# Altium PCB PCB2.PcbDoc (part 1 of 2)
Units mm, origin at the board's own origin, x right, y up, seen from the top; angles counter-clockwise.
Board outline 66 x 45 mm, 4 copper layers (Top Layer, GND1, GND2, Bottom Layer), stack 1.389 mm thick; 112 components, 123 nets, 503 pads, 259 vias.
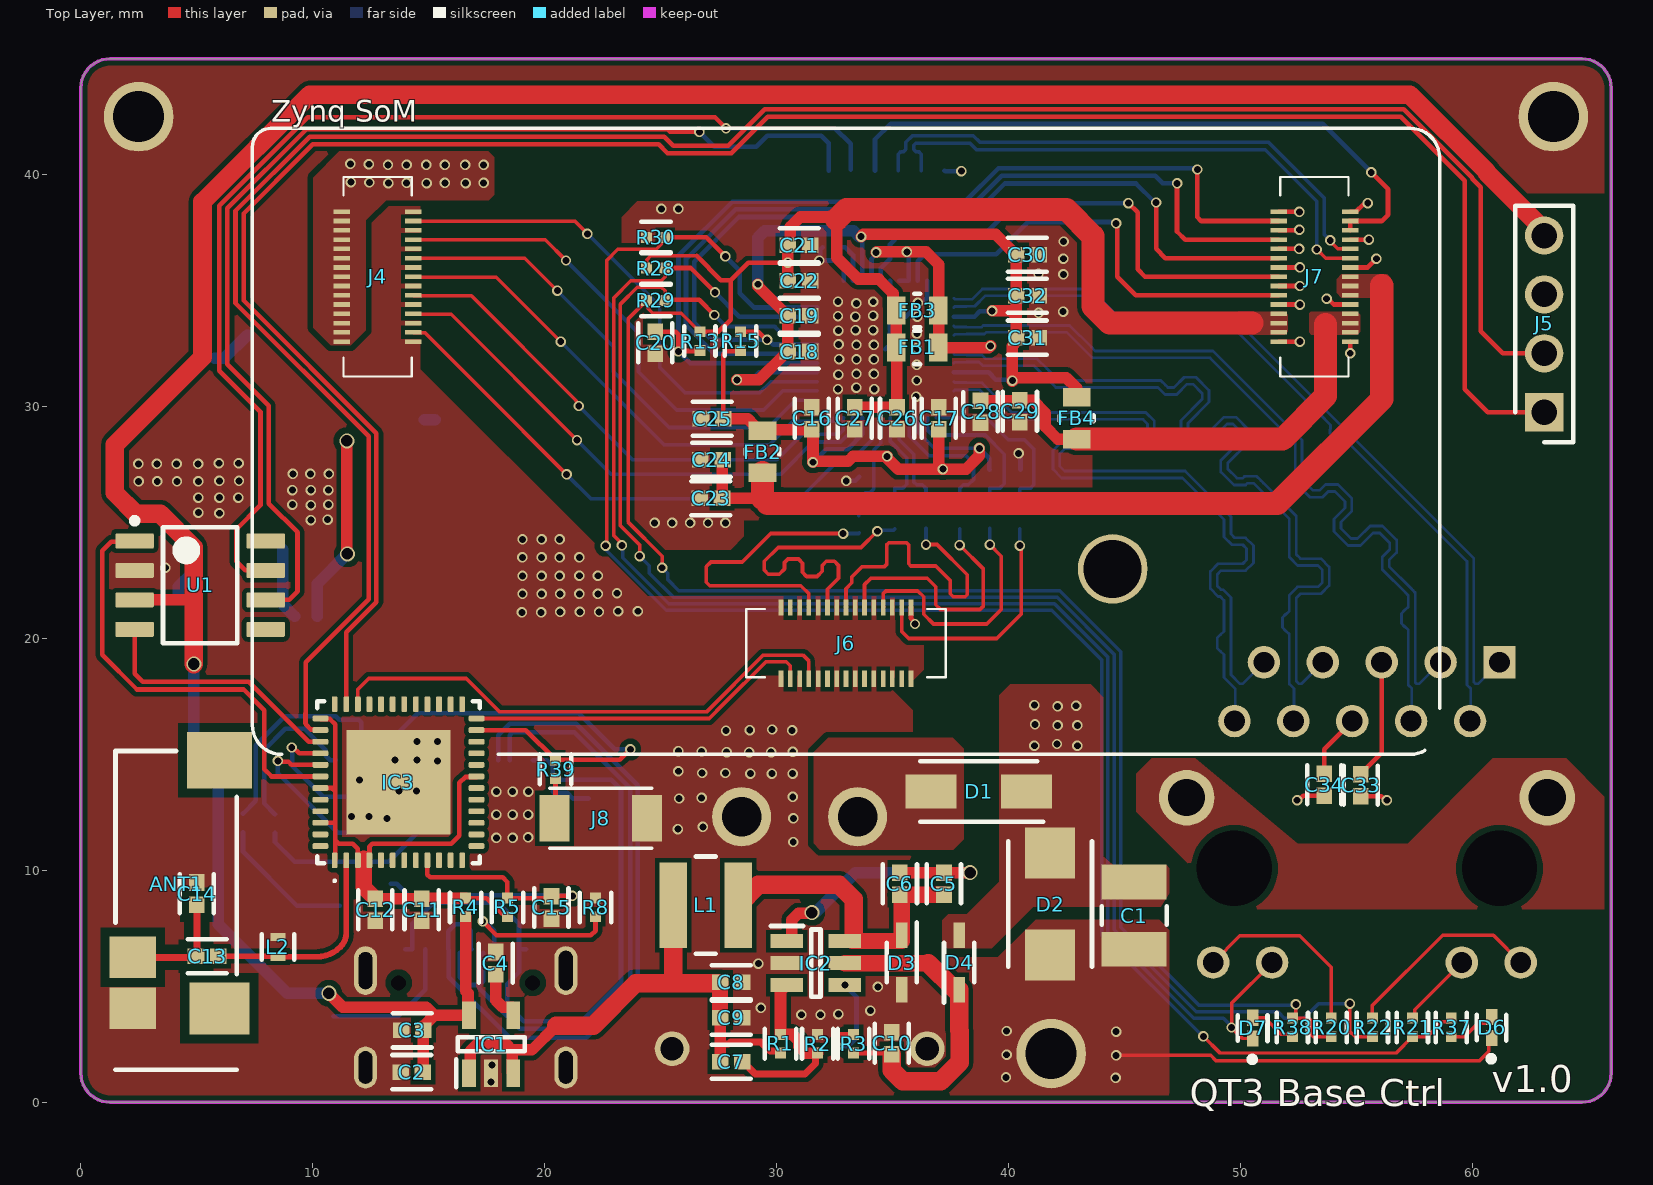
[diagram p0: Top Layer view]
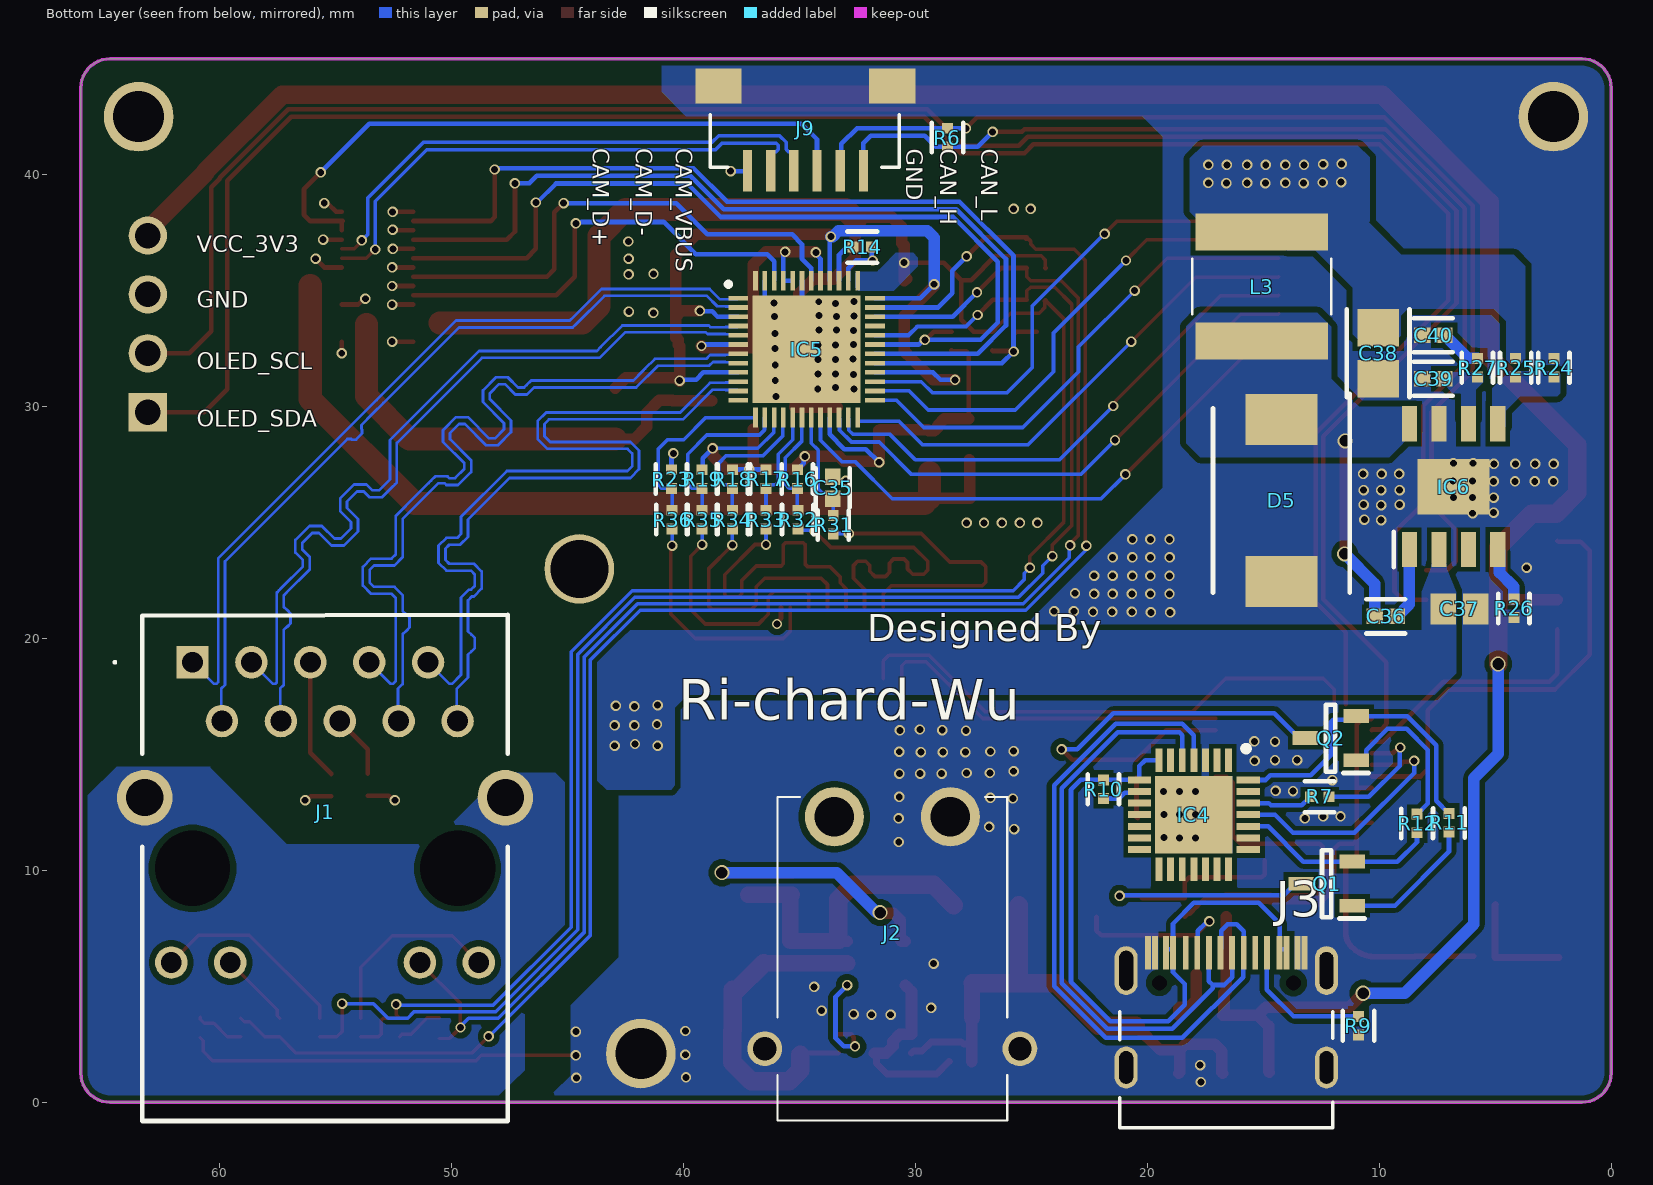
[diagram p1: Bottom Layer view, seen from below]
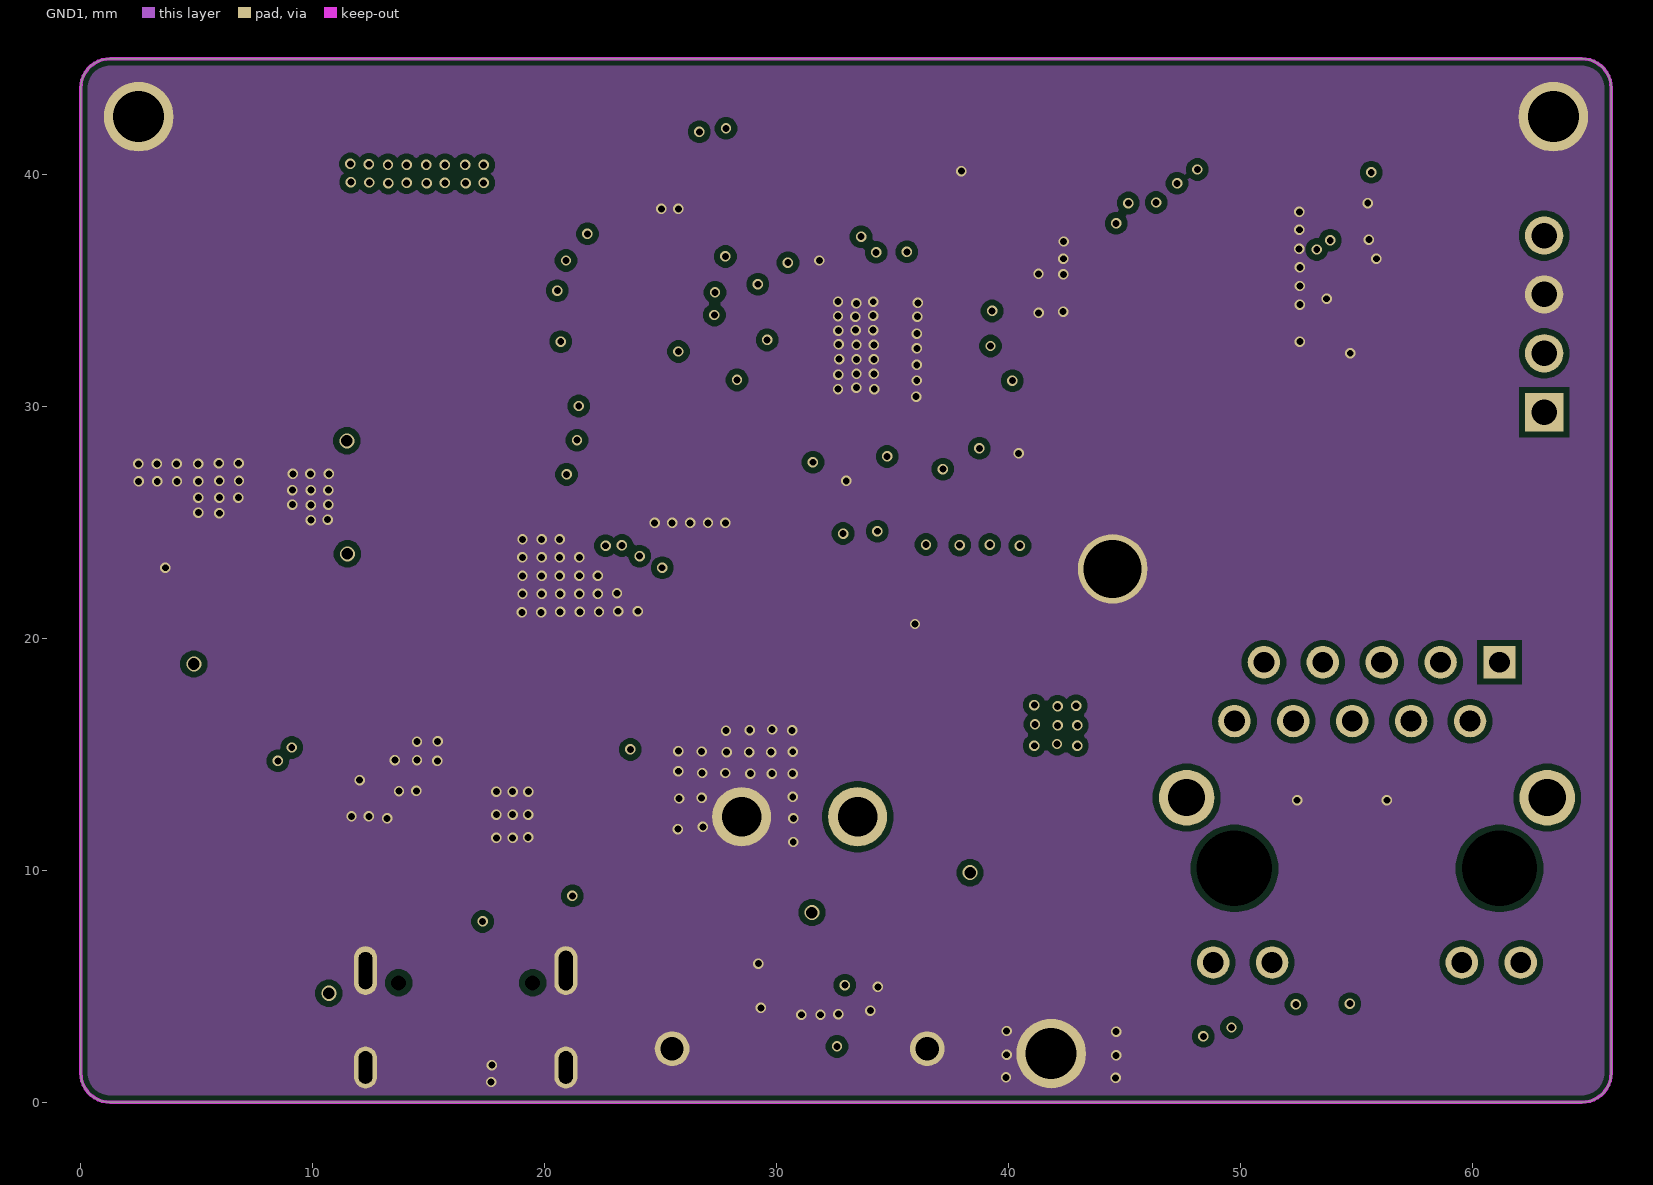
[diagram p2: GND1]
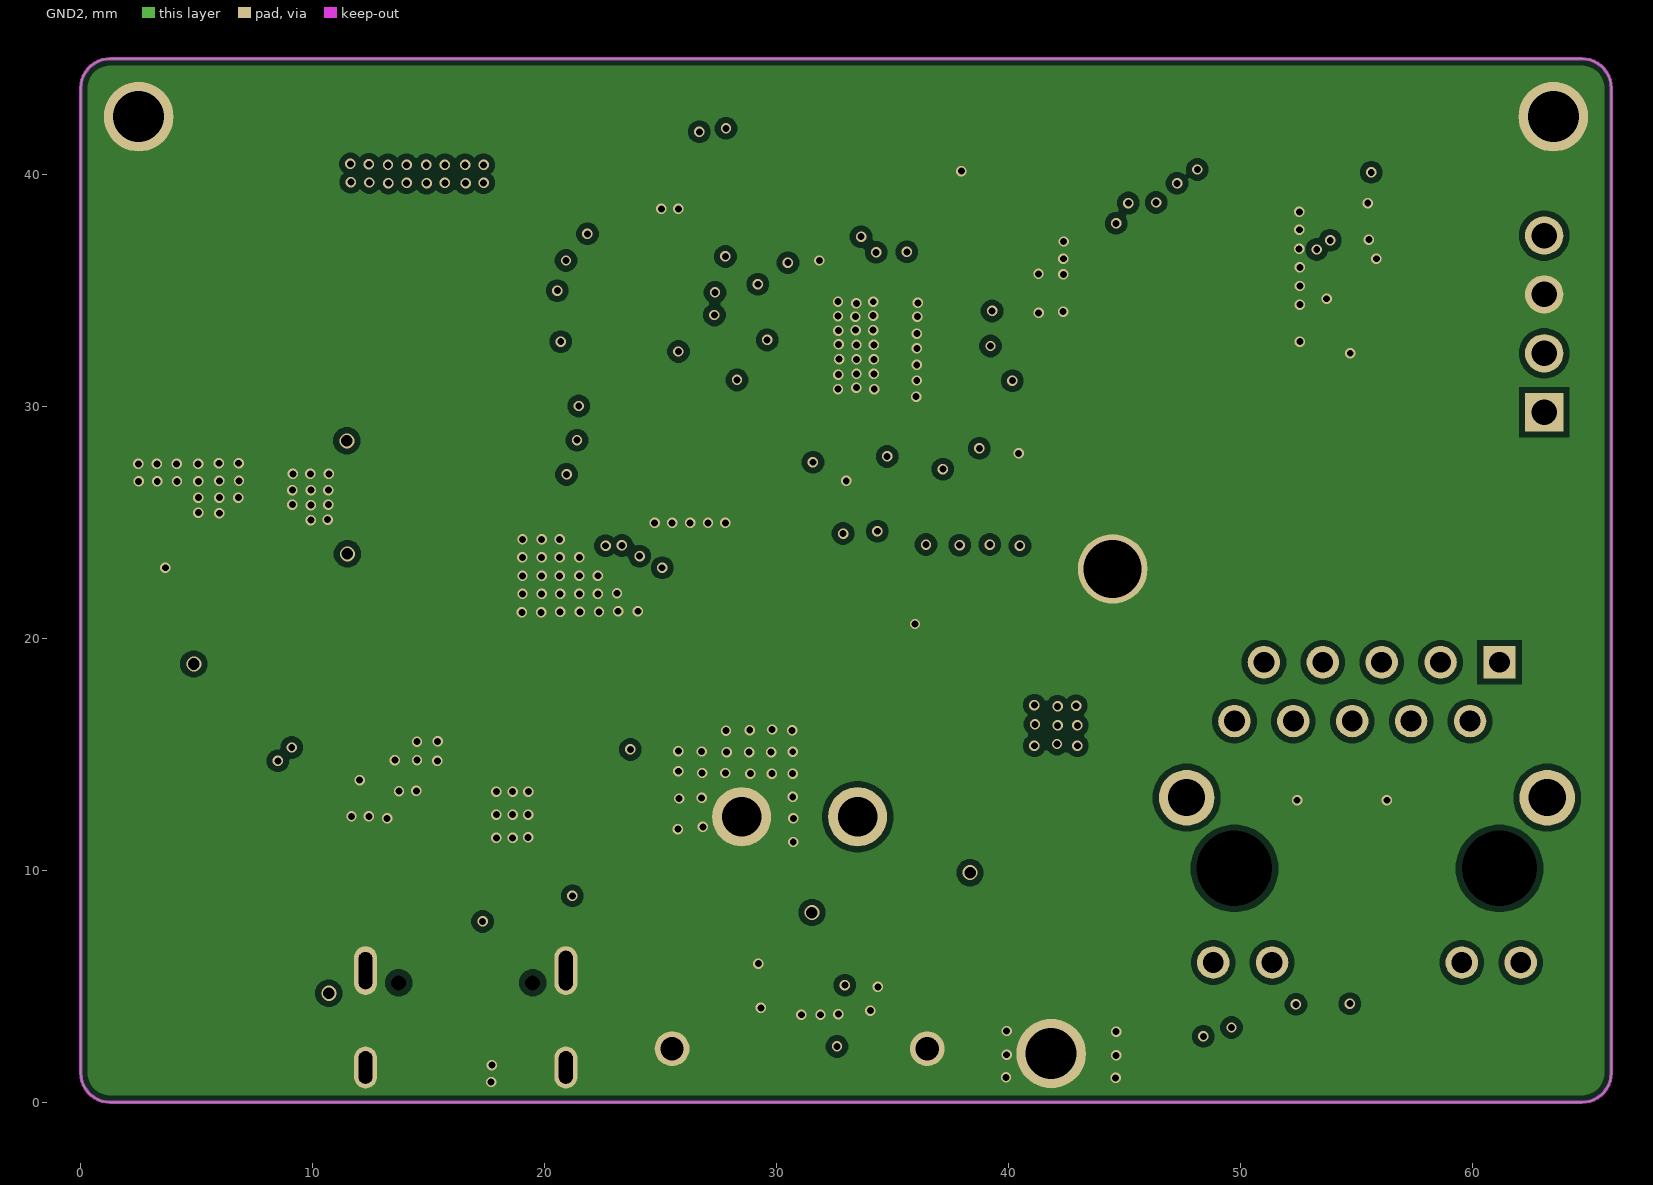
[diagram p3: GND2]
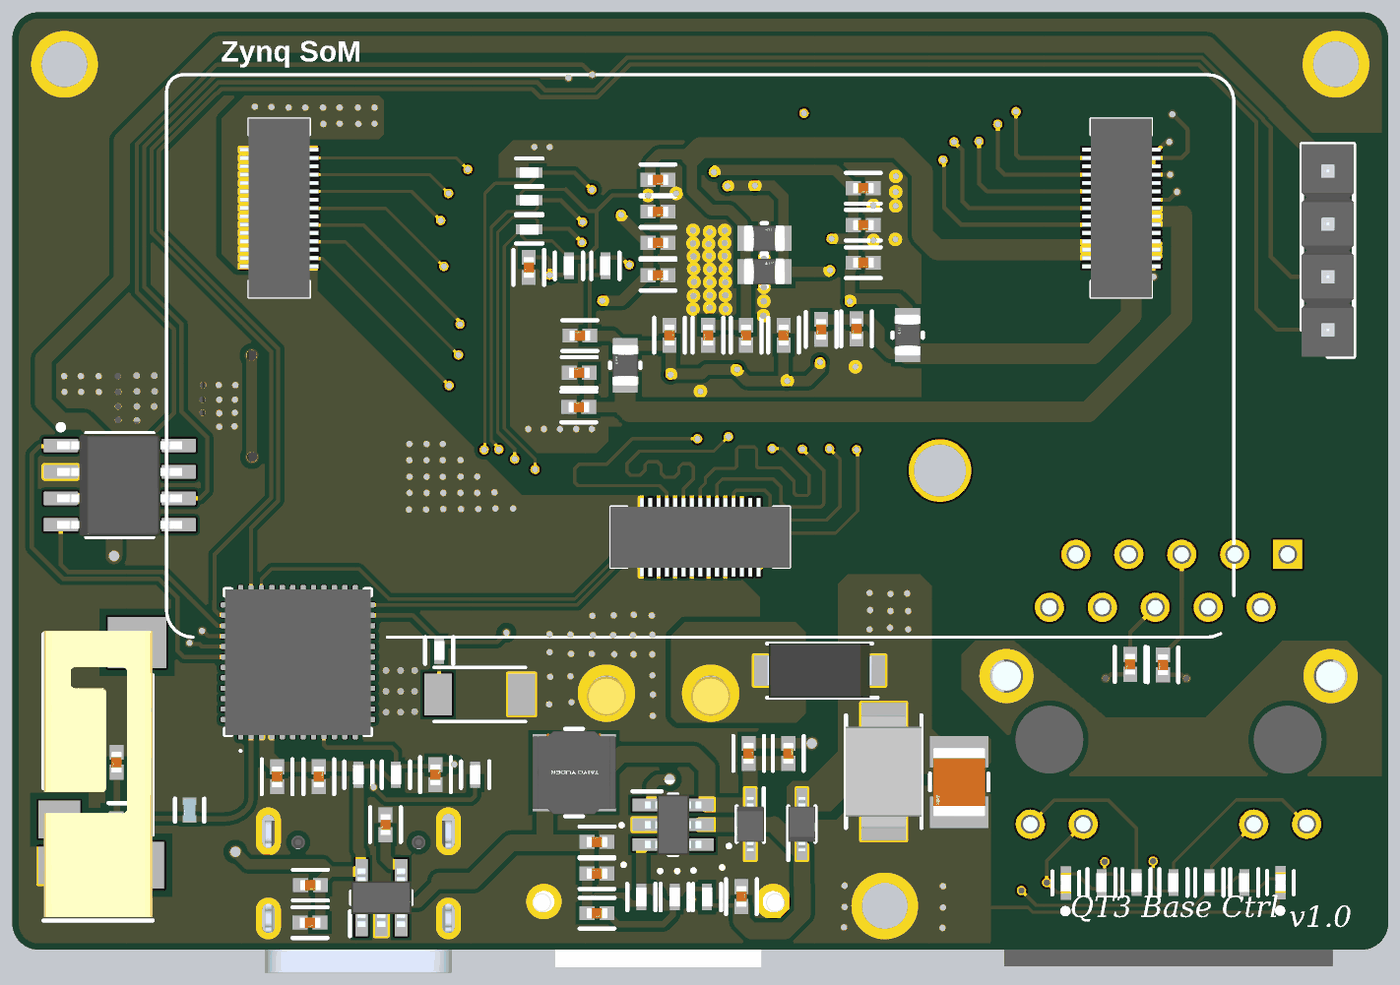
[diagram p5: 3D render of the assembled board from above, using the file's embedded part models]
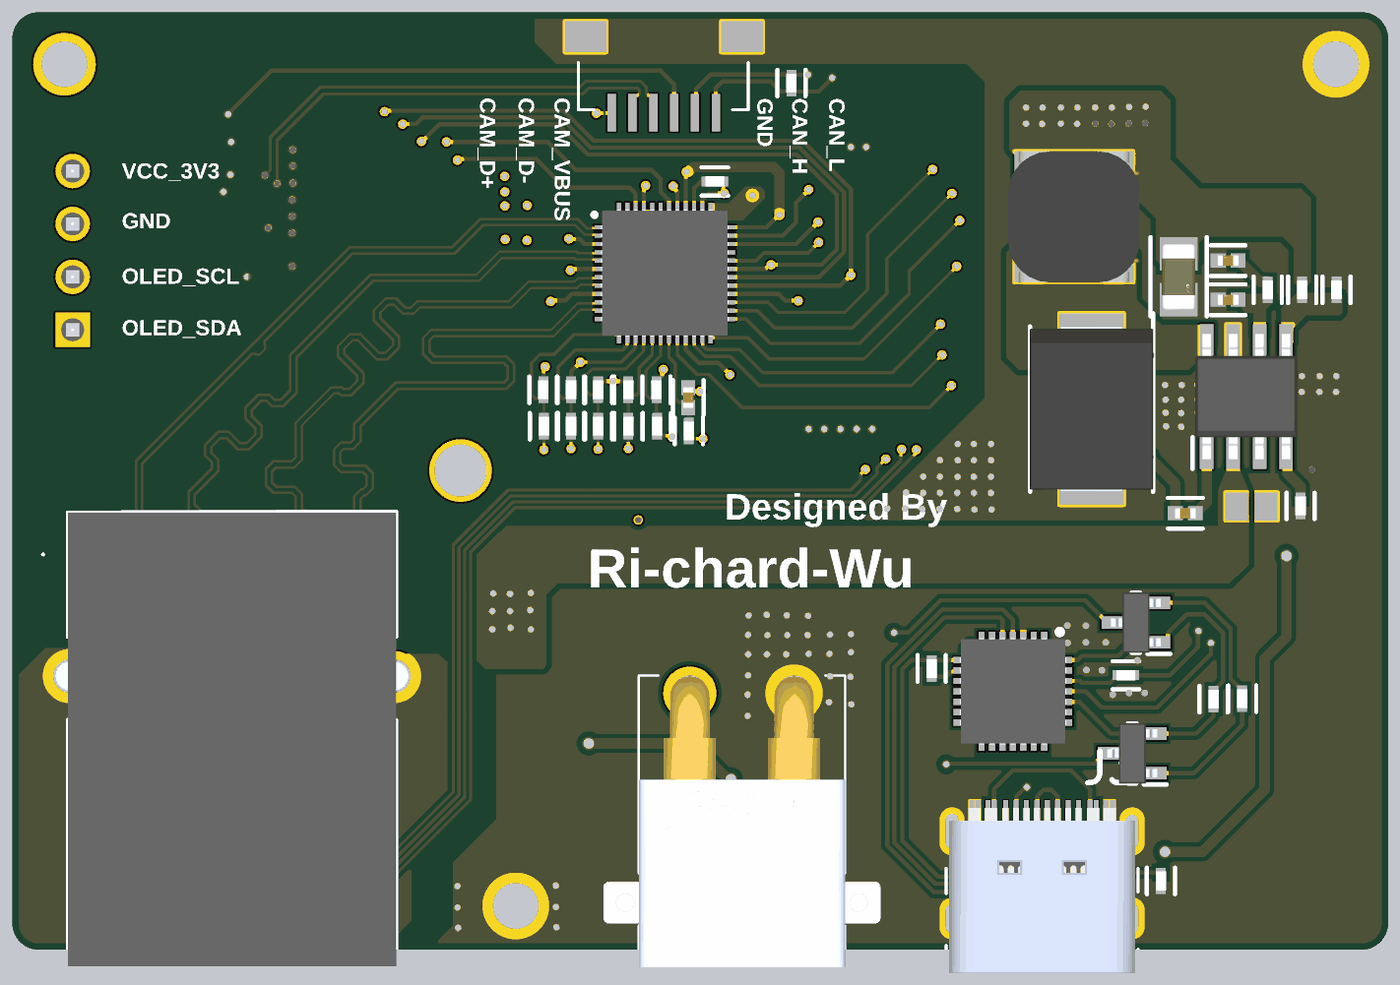
[diagram p6: 3D render of the assembled board from below, using the file's embedded part models]

## Layer stack, top to bottom
Top Solder: solder mask 0.0102, Solder Resist, Dk 3.5
Top Layer: signal copper 0.035
Dielectric 2: prepreg 0.1118, PP-015, Dk 4.05
GND1: signal copper 0.0152
Dielectric 1: dielectric 1.065, FR-4, Dk 4.8
GND2: signal copper 0.0152
Dielectric 3: prepreg 0.1118, PP-015, Dk 4.05
Bottom Layer: signal copper 0.035
Bottom Solder: solder mask 0.0102, Solder Resist, Dk 3.5

## Board outline
1.27,0 cw(c1.27,1.27) 0,1.27 0,43.73 cw(c1.27,43.73) 1.27,45 64.73,45 cw(c64.73,43.73) 66,43.73 66,1.27 cw(c64.73,1.27) 64.73,0

## Design rules (kind name [scope] priority, off if disabled: settings)
BoardOutlineClearance [All] p1: gap=0.3 ignorepadtopadclearanceinfootprint=FALSE
Clearance Clearance_2 [InNetClass('CLR-0_4')] p1: gap=0.254 ignorepadtopadclearanceinfootprint=FALSE except(0.127: SMDPad-SMDPad; 0.4: Arc-Fill Arc-Poly Arc-Region Track-Fill Track-Poly Track-Region SMDPad-Fill SMDPad-Poly SMDPad-Region)
Clearance Clearance_1 [InPadClass('CLR-0_4')] p2: gap=0.254 ignorepadtopadclearanceinfootprint=FALSE except(0.127: SMDPad-SMDPad; 0.4: SMDPad-Fill SMDPad-Poly SMDPad-Region)
Clearance [All] p3: gap=0.254 ignorepadtopadclearanceinfootprint=FALSE except(0.127: Arc-Arc Arc-Track Track-Track SMDPad-SMDPad; 0.15: SMDPad-Text; 0.2: Arc-SMDPad Arc-Fill Arc-Poly Arc-Region Track-SMDPad Track-Fill Track-Poly Track-Region SMDPad-Fill SMDPad-Poly SMDPad-Region)
DiffPairsRouting [All] p1: maxlimit=0.19 minlimit=0.17 mostfreqgap=0.18 toplayer_minwidth=0.1 toplayer_maxwidth=0.2 toplayer_prefwidth=0.118 midlayer1_minwidth=0.1 midlayer1_maxwidth=0.2 midlayer1_prefwidth=0.118 midlayer2_minwidth=0.1 midlayer2_maxwidth=0.2 midlayer2_prefwidth=0.118 bottomlayer_minwidth=0.1 bottomlayer_maxwidth=0.2 bottomlayer_prefwidth=0.118 maxuncoupledlength=12.7
HoleSize [All] p1: absolutevalues=TRUE maxlimit=6.3 minlimit=0.2 maxpercent=80.000 minpercent=20.000
MinimumSolderMaskSliver [All] p1: minsoldermaskwidth=0.1
PolygonConnect [All] p1: connectstyle=Direct reliefconductorwidth=0.254 reliefentries=4 polygonreliefangle="90 Angle" airgapwidth=0.254
RoutingVias [All] p1: holewidth=0.2 width=0.3 viastyle="Through Hole" minholewidth=0.15 minwidth=0.25 maxholewidth=0.711 maxwidth=1.27
SolderMaskExpansion [All] p1: expansion=0.102 istentingtop=FALSE
Width [All] p1: maxlimit=2 minlimit=0.127 preferedwidth=0.254 toplayer_prefwidth=0.2 midlayer1_minwidth=0.254 midlayer1_maxwidth=0.254 midlayer2_minwidth=0.254 midlayer2_maxwidth=0.254 bottomlayer_prefwidth=0.2 minimp=50.000000 maximp=50.000000 favimp=50.000000
27 further rules are at their usual default settings.

## Classes and differential pairs
net class CAM_USB: CAM_D_N CAM_D_P
net class RGMII-RX: ETH_RXCK ETH_RXCTL ETH_RXD0 ETH_RXD1 ETH_RXD2 ETH_RXD3
net class RGMII-TX: ETH_TXCK ETH_TXCTL ETH_TXD0 ETH_TXD1 ETH_TXD2 ETH_TXD3
net class MDI: MDI_A_N MDI_A_P MDI_B_N MDI_B_P MDI_C_N MDI_C_P MDI_D_N MDI_D_P
component class Ethernet-PHY: C16 C17 C18 C19 C20 C21 C22 C23 C24 C25 C26 C27 C28 C29 C30 C31 C32 C33 C34 C35 D6 D7 FB1 FB2 FB3 FB4 IC5 J1 R13 R14 R15 R16 R17 R18 R19 R20 R21 R22 R23 R28 R29 R30 R31 R32 R33 R34 R35 R36 R37 R38
pad class CLR-0_4: ANT1-3 ANT1-4
net class CLR-0_4: NetANT1_2 NetANT1_3 NetANT1_4
component class USB-PROG-UART: IC4 J3 Q1 Q2 R7 R8 R9 R10 R11 R12
component class Power: C1 C2 C3 C4 C5 C6 C7 C8 C9 C10 C36 C37 C38 C39 C40 D1 D2 D3 D4 D5 IC1 IC2 IC6 J2 L1 L3 R1 R2 R3 R24 R25 R26 R27
component class ESP32: ANT1 C11 C12 C13 C14 C15 IC3 J8 L2 R4 R5 R39
component class CAN-POWER-B2B: J4 J5 J6 J7 J9 R6 U1
differential pair CAM_D: +CAM_D_P -CAM_D_N
differential pair MDI_D: +MDI_D_P -MDI_D_N
differential pair MDI_C: +MDI_C_P -MDI_C_N
differential pair MDI_B: +MDI_B_P -MDI_B_N
differential pair MDI_A: +MDI_A_P -MDI_A_N

## Components (designator, comment, footprint, x,y, rotation, side; value= is the part's Value field where it differs from the comment)
ANT1 "PRO-OB-440" PRO-OB-440_1 4.115,1.4 r180 top
C1 "1210-100uF-50V" FP-1210-L_3_3_0_4-W_2_5_0-IPC_B 45.425,8.05 r270 top
C2 "0402-0.1uF-16V" FP-GRM155-0_05-IPC_A 14.279,1.3 r0 top
C3 "0402-10uF-6.3V" FP-GRM155-0_05-IPC_A 14.3,3.1 r0 top
C4 "0402-10nF-50V" FP-GRM155-0_05-IPC_A 17.9,6 r270 top
C5 "0402-0.1uF-16V" FP-GRM155-0_05-IPC_A 37.225,9.425 r90 top
C6 "0402-0.1uF-16V" FP-GRM155-0_05-IPC_A 35.325,9.425 r90 top
C7 "0402-100pF-50V" FP-GRM155-0_05-IPC_A 28.05,1.75 r0 top
C8 "0402-0.1uF-16V" FP-GRM155-0_05-IPC_A 28.05,5.175 r180 top
C9 "0402-10uF-6.3V" FP-GRM155-0_05-IPC_A 28.05,3.65 r180 top
C10 "0402-10uF-50V" FP-GRM155-0_05-IPC_A 34.975,2.55 r90 top
C11 "0402-10uF-6.3V" FP-GRM155-0_05-IPC_A 14.7,8.3 r90 top
C12 "0402-0.1uF-16V" FP-GRM155-0_05-IPC_A 12.7,8.3 r90 top
C13 "0402-4.7pF-50V" FP-GRM155-0_05-IPC_A 5.45,6.3 r180 top
C14 "0402-2.7pF-50V" FP-GRM155-0_05-IPC_A 5,9 r270 top
C15 "0402-1uF-6.3V" FP-GRM155-0_05-IPC_A 20.3,8.4 r90 top
C16 "0402-0.1uF-16V" FP-GRM155-0_05-IPC_A 31.525,29.5 r90 top
C17 "0402-0.1uF-16V" FP-GRM155-0_05-IPC_A 37,29.5 r90 top
C18 "0402-0.1uF-16V" FP-GRM155-0_05-IPC_A 30.975,32.375 r0 top
C19 "0402-0.1uF-16V" FP-GRM155-0_05-IPC_A 30.975,33.925 r0 top
C20 "0402-1uF-6.3V" FP-GRM155-0_05-IPC_A 24.775,32.75 r270 top
C21 "0402-0.1uF-16V" FP-GRM155-0_05-IPC_A 30.975,36.95 r0 top
C22 "0402-0.1uF-16V" FP-GRM155-0_05-IPC_A 30.975,35.425 r0 top
C23 "0402-4.7uF-6.3V" FP-GRM155-0_05-IPC_A 27.175,26.05 r180 top
C24 "0402-0.1uF-16V" FP-GRM155-0_05-IPC_A 27.2,27.7 r180 top
C25 "0402-4.7uF-6.3V" FP-GRM155-0_05-IPC_A 27.225,29.475 r180 top
C26 "0402-4.7uF-6.3V" FP-GRM155-0_05-IPC_A 35.2,29.5 r270 top
C27 "0402-0.1uF-16V" FP-GRM155-0_05-IPC_A 33.375,29.5 r270 top
C28 "0402-22uF-6.3V" FP-GRM155-0_05-IPC_A 38.8,29.775 r270 top
C29 "0402-0.1uF-16V" FP-GRM155-0_05-IPC_A 40.5,29.8 r270 top
C30 "0402-0.1uF-16V" FP-GRM155-0_05-IPC_A 40.825,36.55 r0 top
C31 "0402-0.1uF-16V" FP-GRM155-0_05-IPC_A 40.825,32.975 r0 top
C32 "0402-0.1uF-16V" FP-GRM155-0_05-IPC_A 40.825,34.775 r0 top
C33 "0402-NC" FP-GRM155-0_05-IPC_A 55.2,13.675 r270 top
C34 "0402-0.1uF-16V" FP-GRM155-0_05-IPC_A 53.625,13.696 r270 top
C35 "0402-NC" FP-GRM155-0_05-IPC_A 33.575,26.5 r90 bottom
C36 "0402-0.1uF-16V" FP-GRM155-0_05-IPC_A 9.729,20.95 r180 bottom
C37 "0805-4.7uF-50V" CAPC2013X88X50LL20T25 6.55,21.275 r0 bottom
C38 "1206-47uF-25V" FP-C3216-160-0_3-IPC_C 10.05,32.3 r270 bottom
C39 "0402-15pF-50V" FP-GRM155-0_05-IPC_A 7.675,31.2 r0 bottom
C40 "0402-750pF-50V" FP-GRM155-0_05-IPC_A 7.675,33.075 r0 bottom
D1 "SS54" DIOM5026X262N 38.725,13.4 r180 top
D2 "SMBJ28CA" DIONM5436X244N 41.8,8.55 r270 top
D3 "B5819WS" SOD2613X100N 35.4,6.025 r270 top
D4 "B5819WS" SOD2613X100N 37.875,6.025 r90 top
D5 "B560C-13-F" DIOM7959X250N 14.225,25.95 r270 bottom